# Altium PCB HYDRA_V3_BEACON.PcbDoc (part 2 of 2)
Units mm, origin at the board's own origin, x right, y up, seen from the top; angles counter-clockwise.
Board outline 50 x 45 mm, 6 copper layers (Top Layer, GND, PWR, INT_SIG_1, INT_SIG_2, Bottom Layer), stack 0.816 mm thick; 172 components, 120 nets, 610 pads, 494 vias.
Unrouted connection lines stored in the file: 17.
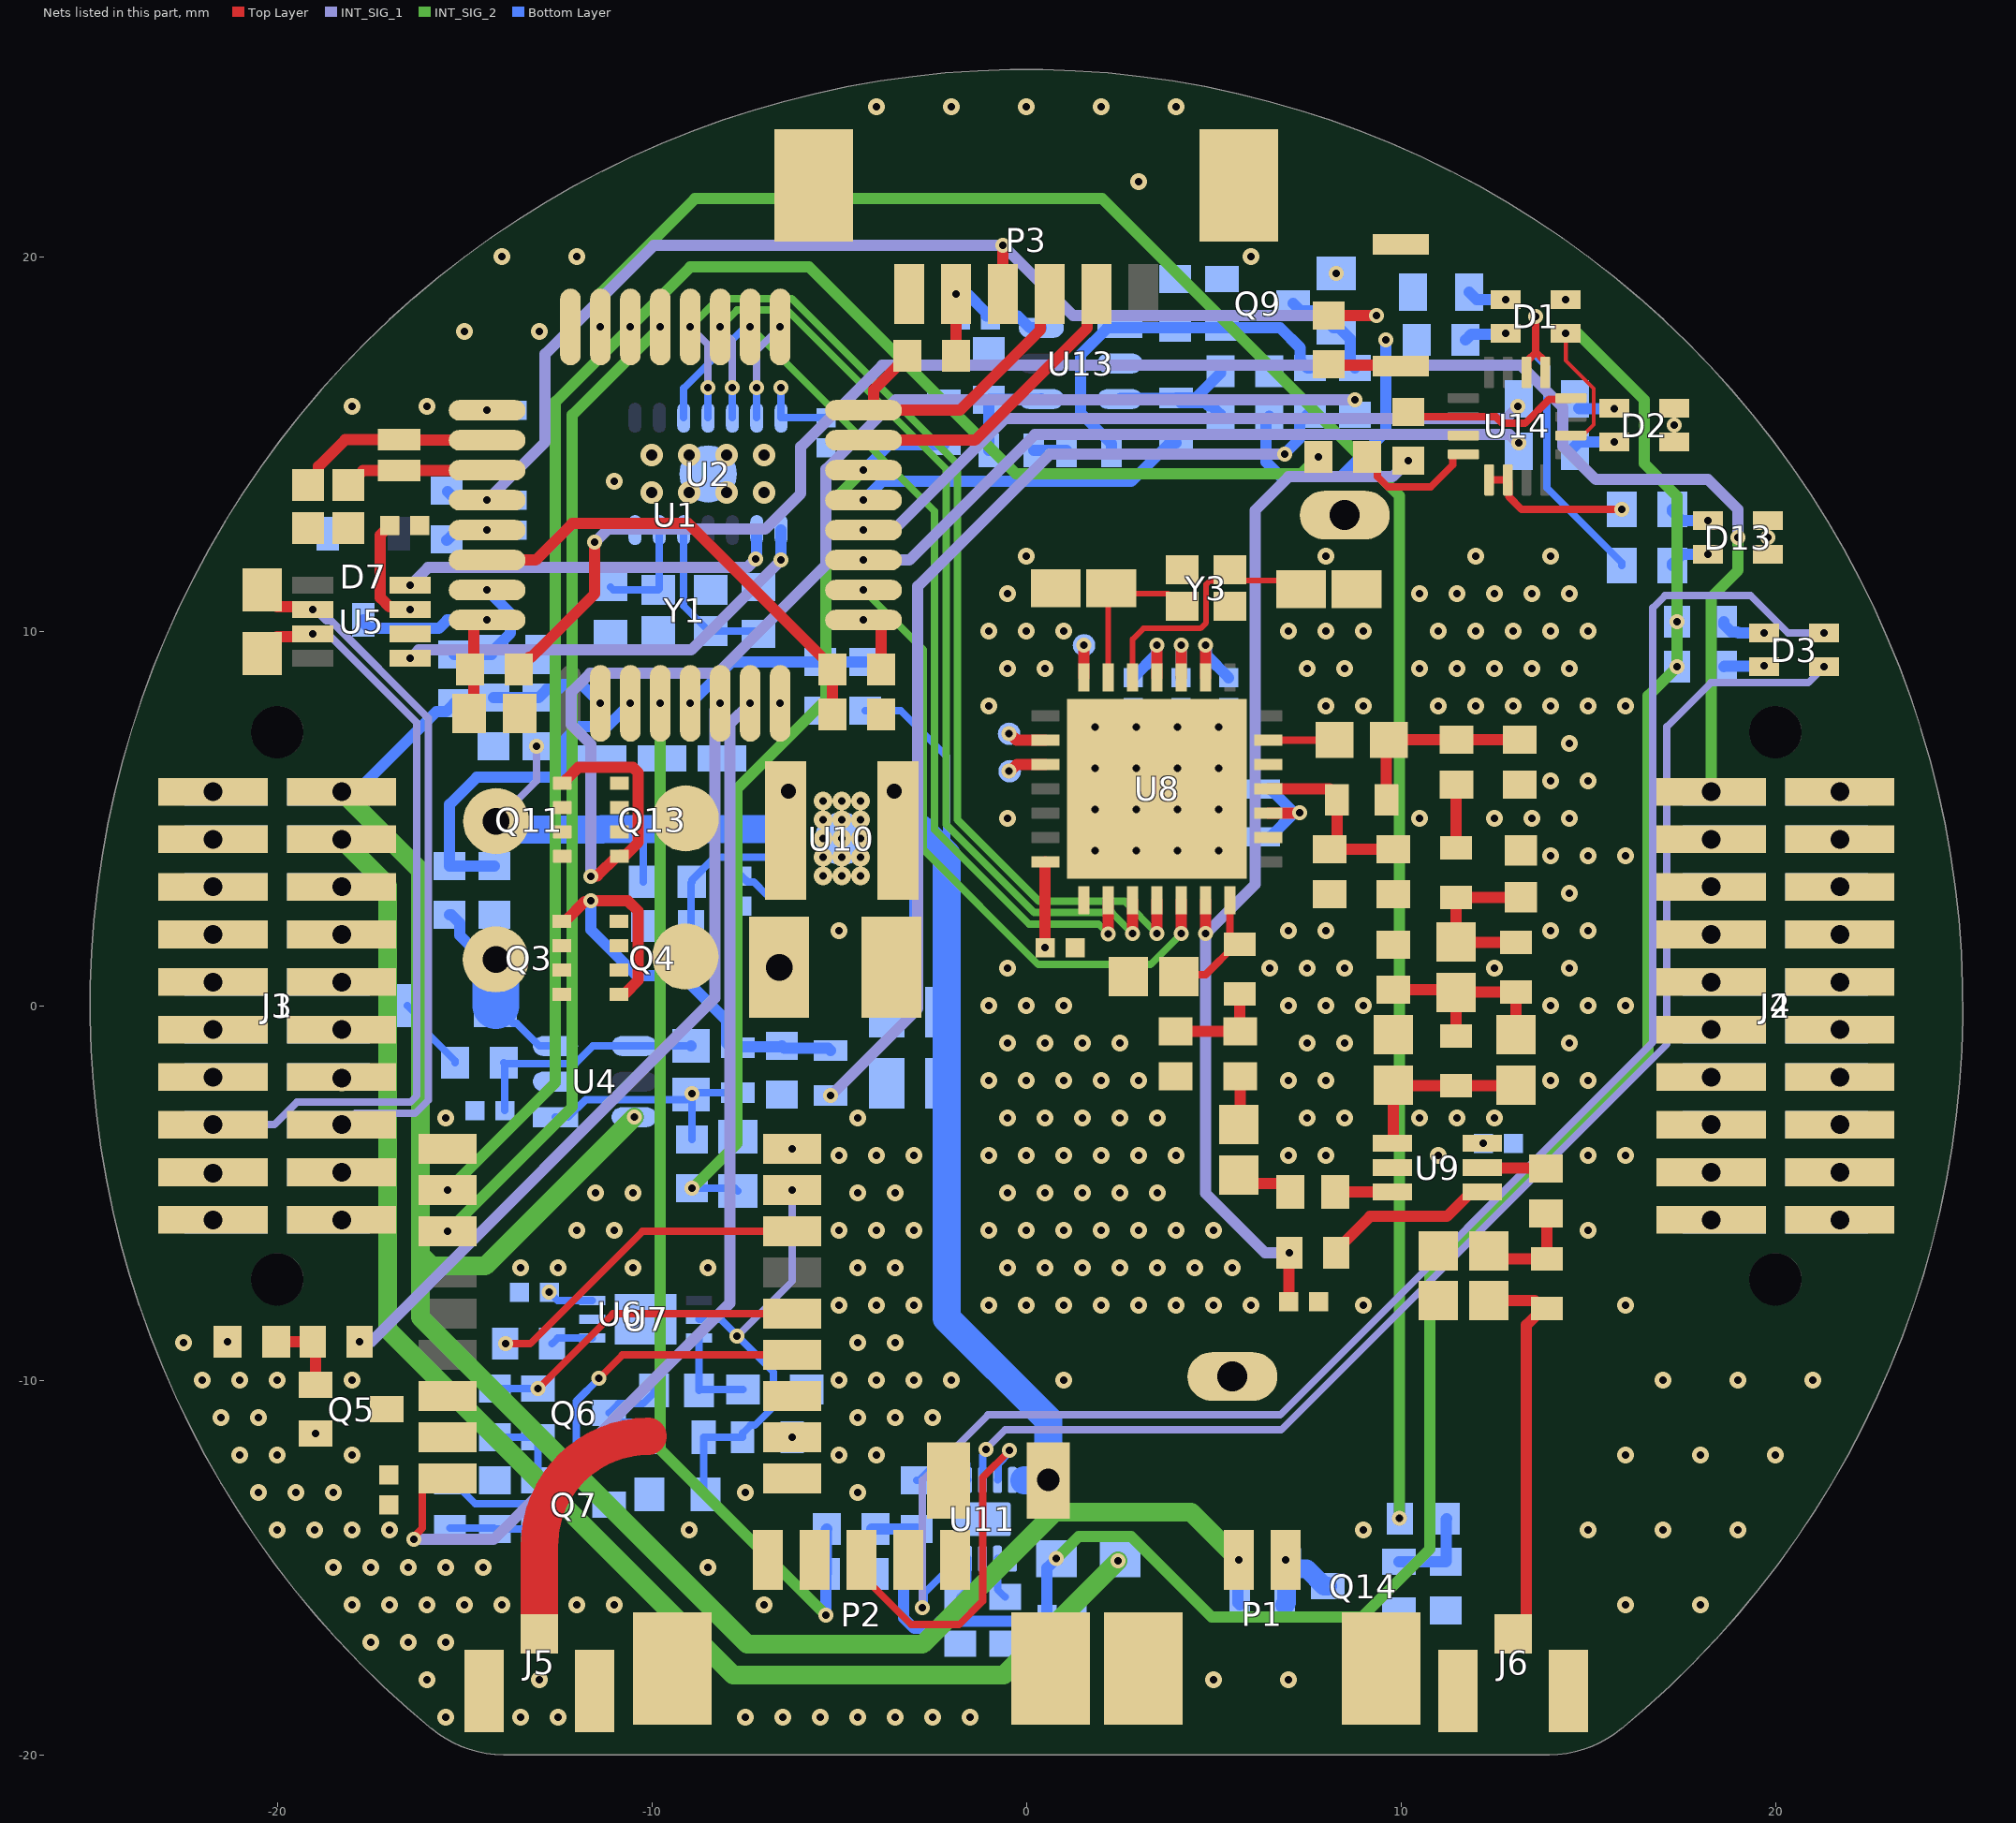
[diagram p6: the nets of this part, all layers, seen from the top]

## Part data (continued)
R17: library part CMP-2000-00925-1, "NOT PANASONIC, THIS IS A 1M RESISTORhttps://www.yageo.com/upload/media/product/productsearch/datasheet/rchip/PYu-RT_1-to-0.01_RoHS_L_13.pdf", Manufacturer=Panasonic, Part Number=ERA-3AEB163V
R24 R25: library part CMP-2000-03183-1, Manufacturer="Vishay Dale", Part Number=CRCW06032K70JNEA
R27: library part CMP-2000-00195-2, "RES SMD 10 OHM 1% 1/10W 0603", Manufacturer=Panasonic, Package=ERJ3EK, Power=100mW, Power Rating=0.1W, Resistance=10Ω, Temperature="-55°C to +155°C", Temperature Coefficient=100ppm/°C, Temperature Range High=+155°C, Temperature Range Low=-55°C, Tolerance=1%, Voltage Rating=75V, Automotive=Yes, Automotive Grade="Grade 0", Category=Res, ComponentLink2Description=Datasheet, ComponentLink2URL=https://b2b-api.panasonic.eu/file_stream/pids/fileversion/1263, Composition="Thick Film", Device Class L1="Passive Components", Device Class L2=Resistors, Device Class L3="Chip SMD Resistors", Digikey Description="RES SMD 10 OHM 1% 1/10W 0603", Footprint Url=https://industrial.panasonic.com/cdbs/www-data/pdf/RDA0000/DMA0000COL17.pdf, Height=0.55mm, Ipc Land Pattern Name=RESC16080X45, Lead Free=Yes, Manufacturer Part Number=ERJ-3EKF10R0V, Octopart=https://octopart.com/erj-3ekf10r0v-panasonic-55403649, RoHS=TRUE, Series=ERJ
R29: library part CMP-2000-00091-1, Manufacturer=Panasonic, Part Number=ERA3AEB561V
R31: library part CMP-2100-03662-2, "RES SMD 100K OHM 1% 1/10W 0603", Case Code (Imperial)=0603, Case Code (Metric)=1608, Max Operating Temperature=155°C, Max Power Dissipation=100mW, Min Operating Temperature=-55°C, Resistance=100kR, Resistance Tolerance=1%, Resistor Type="Thick Film", Temperature Coefficient=100ppm/°C, Voltage Rating=50V, Working Voltage=75V, Case/Package=0603, Construction=Rectangular, Depth=0.8mm, Features="Moisture Resistant", Height=0.45mm, Lead Free="Lead Free", Length=1.6mm, Military Standard=Not, Number of Pins=2, Number of Terminations=2, Packaging="Tape and Reel", Power Rating=100mW, REACH SVHC="No SVHC", RoHS Compliant=Yes, Series=RC, Technology="THICK FILM", Termination=SMD/SMT, Tolerance=1%, Voltage Rating (DC)=50V, Width=0.8mm
R36: library part CMP-1012-00849-3, "RES SMD 1M OHM 1% 1/10W 0603", Case Code (Imperial)=0603, Case Code (Metric)=1608, Max Operating Temperature=155°C, Max Power Dissipation=100mW, Min Operating Temperature=-55°C, Package Quantity=1, Resistance=1MR, Resistance Tolerance=1%, Resistor Type="Thick Film", Temperature Coefficient=100ppm/°C, Voltage Rating=75V, Case/Package=0603, Construction=Rectangular, Contact Plating=Tin, Depth=0.8mm, Features="Automotive AEC-Q200", Height=0.022inch, Lead Free="Lead Free", Length=1.6mm, Military Standard=Not, Mount="Surface Mount", Number of Pins=2, Number of Terminations=2, Packaging="Tape and Reel", Power Rating=100mW, Radiation Hardening=No, REACH SVHC="No SVHC", RoHS Compliant=Yes, Series=ERJ, Size Code=0603, Termination=SMD/SMT, Tolerance=1%, Voltage Rating (DC)=75V, Width=0.8mm
R37: library part CMP-2000-00296-1, Manufacturer=Panasonic, Part Number=ERJ3EKF1803V
R39 R60: library part CMP-2000-00475-1, Manufacturer=Panasonic, Part Number=ERJ3EKF3901V
R64: library part CMP-2000-00256-1, Manufacturer=Panasonic, Part Number=ERJ-3EKF1500V
R65: library part CMP-1012-00048-2, Manufacturer=Panasonic, Part Number=ERJ-3GEYJ820V
SW1: library part CMP-10040-000029-1, "SWITCH TACTILE SPST-NO 0.02A 15V", Current Rating=5A, Flammability Rating="UL94 V-0", Insulation Color=Black, Max Operating Temperature=85°C, Min Operating Temperature=-40°C, Operating Force=240gf, Actuator Type=Standard, Connector Type=USB, Contact Plating=Gold, Gender=Receptacle, Illumination Type=Non-Illuminated, Mechanical Life=500000Cycles, Mount="Surface Mount", Number Of Contacts=24, Number of Ports=1, Packaging="Tape and Reel", Switch Function=Off-Mom, Switch Travel=0.13mm, Termination=Solder, Throw Configuration=SPST
TP1 TP2 TP3 TP4: library part CMP-00028-00002-2, "0.6mm round", Pins=1
U1: library part CMP-020-00025-2, "MCU 32-Bit Ultra Low Power STM32L ARM Cortex M0+ RISC 64kB Flash 32-Pin LQFP T/R"
U2: library part CMP-06298-000029-1, "IC CAN CONTROLLER SPI 14VDFN", RoHS Compliant=Yes
U4 U13: library part CMP-04896-000098-1, "40V, RAIL-TO-RAIL INPUT, PUSH-PU"
U5: library part CMP-04872-000178-1, "IC TRANSCEIVER 1/1 SOT23-8", Case/Package=SOT-23-8, Max Operating Temperature=125°C, Min Operating Temperature=-40°C, Data Rate=1Mbps, Lead Free="Lead Free", Mount="Surface Mount", Packaging="Tape and Reel", RoHS Compliant=Yes
U6: library part CMP-00025-00004-1, "Gnss Lcc Rx Mod, Rom, Crystal"
U7: library part CMP-09116-000039-1, "IC OPAMP GP 1 CIRCUIT 6DFN", Case/Package=DFN, Input Bias Current=12nA, Input Offset Voltage (Vos)=1.2mV, Max Operating Temperature=85°C, Max Supply Voltage=18V, Min Operating Temperature=-40°C, Min Supply Voltage=1.8V, Operating Supply Current=20uA, Output Current per Channel=10mA, Package Quantity=1, Power Supply Rejection Ratio (PSRR)=86dB, Voltage Gain=120dB, Bandwidth=60kHz, Common Mode Rejection Ratio=68dB, Gain Bandwidth Product=60kHz, Lead Free="Lead Free", Mount="Surface Mount", Number of Amplifiers=1, Number of Circuits=1, Number of Elements=1, Number of Pins=6, Packaging="Tape and Reel", REACH SVHC="No SVHC", Slew Rate=0.018V/µs, Unity Gain Bandwidth Product=60kHz
U8: library part CMP-2000-05356-1, "Low Power Long Range Transceiver, 137 to 1020 MHz, -40 to 85 degC, 28-Pin QFN, RoHS, Tape and Reel", Current - Receiving=10.8mA~12mA, Current - Transmitting=20mA~120mA, Frequency=137MHz~1.02GHz, Manufacturer=Semtech, Operating Temperature=-40degC~85degC, Package / Case=28-VQFNExposedPad, Package Description="28-Pin Quad Flat No-lead Package, Body 6 x 6 mm, Pitch 0.65 mm", Package Reference=QFN-28, Power - Output=20dBm, Standard Package=3,000, Voltage - Supply=1.8V~3.7V, Category=RF/IFandRFID, Data Rate (Max)=300kbps, Datasheet URL=http://www.semtech.com/images/datasheet/sx1276.pdf, Datasheet Version="Rev. 4, 03/2015", Design Resources=SX127xReferenceDesignOverviewDevelopmentToolSelector, Family=RFTransceiverICs, Featured Product=SX1276LongRangeTransceiver, GPIO=6, Manufacturer URL=http://www.semtech.com/, Memory Size=-, Mfg Application Notes=LoRaModulation:CrystalOscillatorGuidanceSX12xxSoftwareImplementationofDataWhiteningandCRCSX127xLoRaLowEnergyDesignGuideSX127xLoRaModemDesignersGuide, Modulation=FSK,GFSK,GMSK,MSK,OOK, Online Catalog=SX1276,SX1277andSX1278, Other Names=SX1276IMLTRTTR, Packaging=Tape&Reel(TR), PCN Design/Specification=CopperWire25/Mar/2014, Protocol=LoRa™, RF Family/Standard=802.15.4, Sensitivity=-148dBm, Serial Interfaces=SPI, Series=-, Type=TxRx+MCU
U9: library part CMP-2000-05298-1, "IC RF Switch SPDT, 50 Ohm, 6-Pin SC70, RoHS, Tape and Reel", Frequency - Lower=10MHz, Frequency - Upper=3GHz, Insertion Loss @ Frequency=0.5dB@2GHz, Isolation @ Frequency=20dB@2GHz(typ), Manufacturer="Peregrine Semiconductor", Operating Temperature=-40degC~85degC, Package / Case=6-TSSOP,SC-88,SOT-363, Package Description="6-Pin Small Outline Transistor, Body 2.05 x 1.25 mm, Pitch 0.65 mm", Package Reference=SC-70-6, Standard Package=3,000, Voltage - Supply=1.8V~3.3V, Category=RF/IFandRFID, Circuit=SPDT, Datasheet URL=https://datasheet.ciiva.com/15100/getdatasheetpartid-685660-15100501.pdf, Datasheet Version=Jan-11, Family=RFSwitches, Features=Single/DualLineControl, IIP3=55dBm(typ), Impedance=50Ohm, Manufacturer URL=http://www.psemi.com/, Online Catalog=PE4259, Other Names=1046-1011-24259-63-ND425963PE4259PE4259SCBC-ZPE4259SCBC-Z-ND, P1dB=29dBm(typ)IP1dB, Packaging=Tape&Reel(TR), RF Type=GeneralPurpose, Series=UltraCMOS, Supplier Device Package=SC-70-6, Topology=Reflective
U10: library part CMP-04918-000102-1, "IC REG BCK BST 3.3V 3.5A 14VSON", Ambient Temperature Range High=+85°C, Ambient Temperature Range Low=-40°C, Manufacturer="Texas Instruments", Max Junction Temp=+125°C, Max Supply Voltage=5.5V, Min Supply Voltage=1.8V, Nominal Supply Current=25uA, Output Current=2A, Output Voltage=1.2-5.5V, Package=DSJ0014A, Switching Frequency=2400kHz, Temperature="-40°C to +85°C", Automotive=No, Category=IC, ComponentLink2Description=Datasheet, ComponentLink2URL=http://www.ti.com/lit/ds/symlink/tps63021.pdf, Device Class L1="Integrated Circuits (ICs)", Device Class L2="Power Management ICs", Device Class L3="Voltage Regulators - Switching", Digikey Description="IC REG BCK BST 3.3V 3.5A 14VSON", Height=1mm, Lead Free=Yes, Manufacturer Part Number=TPS63021DSJR, Max Duty Cycle=100%, Mouser Description="Conv DC-DC 1.8V to 5.5V Non-Inv/Inv/Step Up/Step Down Single-Out 3.3V 3A 14-Pin VSON EP T/R", Number of Outputs=1, Octopart=https://octopart.com/tps63021dsjr-texas+instruments-17659431, Output Type=AdjustableProgrammable, RoHS=TRUE, Standoff Height=0mm, Switching Topology=Buck-Boost, Temperature Range High=+85°C, Temperature Range Low=-40°C
U11: library part CMP-0321-00456-2, "800 mA, Single-Input, Single Cell Li-Ion Battery Charger with Auto Start. Vovp=6.6 V, 3.5 V, -40 to 85 degC, 10-pin SON (DSQ), Green (RoHS & no Sb/Br)", Manufacturer="Texas Instruments", Over Voltage Protection=N, ComponentLink1Description=Datasheet, ComponentLink1URL=http://www.ti.com/general/docs/lit/getliterature.tsp?genericPartNumber=BQ24040&fileType=pdf, DatasheetVersion=SLUS941A, Eco-Plan="Green (RoHS & no Sb/Br)", Lead Acid=N, Li-Ion=N, Li-Polymer=N, Mounting Technology="Surface Mount", NiCd=N, NiMH=N, PackageDescription="10-Pin Plastic Small Outline No-Lead, 2 x 2 x 0.8 mm Body, 0.4 mm Pitch, Exposed Pad", PackageReference=DSQ0010A, PackageVersion="revB, Apr-2010", PartNumber=BQ24040DSQR, SubFamily="Battery Charge Management", Vin(Min)(V)=3.5
U14: library part CMP-014-00004-1, "LM2902 Series 30 V 1.3 MHz Low-Power Quad Operational Amplifier - QFN-16 (3x3)"
Y1: library part CMP-27762-004352-1, "Crystal 40MHz ±30ppm 10pF SMD-4 2mm x 1.6mm Automotive", Case/Package=SMD/SMT, Color=Yellow, ESR (Equivalent Series Resistance)=60R, Frequency=40MHz, Frequency Stability=50ppm, Frequency Tolerance=30ppm, Load Capacitance=10pF, Max Operating Temperature=125°C, Min Operating Temperature=-40°C, Ratings=AEC-Q200, Height=0.022inch, Length=0.079inch, Mount="Surface Mount", Packaging="Tape and Reel", RoHS Compliant=Yes, Width=0.063inch
Y2: library part CMP-40224-000006-1, "CRYSTAL 32.7680KHZ 12.5PF SMD", Frequency=32.768kHz, Load Capacitance=12.5pF, Manufacturer="ECS International", Package=ECX-1210, Temperature="-40°C to +85°C", Temperature Range High=+85°C, Temperature Range Low=-40°C, Tolerance=20ppm, Automotive=No, Category=Crys, ComponentLink2Description=Datasheet, ComponentLink2URL=https://ecsxtal.com/store/pdf/ECX-1210.pdf, Device Class L1="Passive Components", Device Class L2="Crystals / Oscillators", Device Class L3=Crystals, Digikey Description="CRYSTAL 32.7680KHZ 12.5PF SMD", Esr=90kΩ, Height=0.5mm, Lead Free=Yes, Manufacturer Part Number=ECS-.327-12.5-1210-TR, Octopart=https://octopart.com/ecs-.327-12.5-1210-tr-ecs+international-81221340, RoHS=TRUE, Series=ECX-1210
Y3: library part CMP-27762-001566-1, "Crystal 32MHz ±10ppm 8pF SMD-4 2mm x 1.6mm", Case/Package=SMD/SMT, ESR (Equivalent Series Resistance)=80R, Frequency=32MHz, Frequency Stability=20ppm, Frequency Tolerance=10ppm, Load Capacitance=8pF, Max Operating Temperature=85°C, Min Operating Temperature=-40°C, Mount="Surface Mount", Packaging="Cut Tape", RoHS Compliant=Yes

## Via types
v1: diameter 0.45, hole 0.2, Top Layer to Bottom Layer, 297 vias
v2: diameter 0.4, hole 0.2, Top Layer to Bottom Layer, 112 vias
v3: diameter 0.7, hole 0.5, Top Layer to Bottom Layer, 40 vias
v4: diameter 0.5, hole 0.2, Top Layer to Bottom Layer, 31 vias
v5: diameter 0.6, hole 0.3, Top Layer to Bottom Layer, 8 vias
v6: diameter 1.27, hole 0.711, Top Layer to Bottom Layer, 3 vias
v7: diameter 0.6, hole 0.4, Top Layer to Bottom Layer, 2 vias
v8: diameter 1, hole 0.6, Top Layer to Bottom Layer, 1 vias

## Nets (pads, with @x,y where several pads share a name; then routed paths per layer and width w, separated by ;. In a path a pad name is that pad's centre, name@x,y a point inside that pad or via, vN(x,y) a via of type N, cw(c..) or ccw(c..) an arc to the next point about the centre after c; other vN are vias at no path point)
3V3: C1.1 C2.1 C3.1 C4.2 C5.2 C10.1 C18.1 C19.1 C20.1 C21.1 C28.1 C45.2 C54.1 D1.3 D2.2 D2.3 P3.5 Q4.5-6-7-8 Q5.2 Q13.5-6-7-8 R2.2 R6.1 R19.2 R56.1 R60.2 R66.2 U1.1 U1.5 U1.17 U2.14 U5.3 U7.6 U8.3 U8.14 U8.24 U9.6 U13.6 | length 27.5
  Top Layer w0.3: C5.2@-17,12.825 -17.253,12.572 -17.253,10.897 -17.007,10.651 -16.526,10.651 v2(-16.451,10.576) ; v2(-4.35,10.3) -3.99,10.3 -3.875,10.185 R19.2@-3.875,8.975 ; R66.2@-1.875,17.35 v2(-1.875,19) ; v2(0.5,1.55) 0.5,3.844 U8.14@0.512,3.844 ; U8.3@4.137,8.769 v2(4.137,9.625) ; U8.24@6.462,5.144 7.294,5.144 v2(7.3,5.15)
  Bottom Layer w0.2: v2(-12.738,-7.65) -12.512,-7.875 U7.6@-11.588,-7.875 ; v2(-6.55,16.5) U2.14@-6.55,15.7 C4.2@-5.35,15.7
  Bottom Layer w0.3: R6.1@-15.475,12.425 -15.3,12.6 C2.1@-14.581,12.6 ; v2@-1.848,19 -1.84,18.992 -1.564,18.992 -1.07,18.499 -1.07,18.423 -0.233,18.423 0.09,18.1 U13.6@0.395,18.1 ; C18.1@4.125,8.76 4.131,8.766 4.131,9.579 v2@4.137,9.585 ; R56.1@6.477,15.737 6.4,15.66 6.4,14.518 6.793,14.125 8.388,14.125 9.6,15.338 v2(9.6,17.775) ; C20.1@6.51,4.51 7.131,5.131 7.281,5.131 v2(7.3,5.15) ; C21.1@6.51,5.785 v2@7.126,5.169
  other v2: -18.975,-11.425 -21.325,-8.975 12.2,-3.675 -14.4,12.7 17.3,15.5 -14.4,15.9 14.4,18.85 8.275,19.55
  other v6: -6.6,1.025
3V3_CUTOFF_MOSFET: D5.C D6.C Q3.4 Q4.4 R13.2 | length 13.8
  Top Layer w0.3: Q3.4@-12.4,2.25 -12.375,2.275 -12.3,2.275 -11.794,2.781 -11.644,2.781 v2(-11.625,2.8) -10.642,2.8 -10.373,2.532 -10.373,0.673 -10.719,0.328 -10.85,0.328 Q4.4@-10.875,0.303
  Bottom Layer w0.3: v2(-11.625,2.8) -11.625,2.025 -10.4,0.8 -9.2,0.8 -8,-0.4 -8,-1 -7.875,-1.125 D5.C@-7.7,-1.125 -7.675,-1.1 -6.55,-1.1 R13.2@-6.525,-1.075 -6.463,-1.138 -5.288,-1.138 D6.C@-5.225,-1.2
3V3_OC_TP: D5.A R17.1 R38.2 U4.1 | length 6.1
  Bottom Layer w0.2: U4.1@-12.575,-2.975 -12.238,-2.975 -11.771,-2.508 R17.1@-9.083,-2.508 ; R38.2@-8.925,-3.575 v2(-8.925,-2.35) -8.9,-2.325 D5.A@-7.7,-2.325
3V3_POST_SHUNT: Q3.5-6-7-8 R11.2 R15.2 U4.3 | length 5.2
  Bottom Layer w0.2: R15.2@-14.168,0.008 R15.2@-14.175,0 -13.7,-0.475 -13.602,-0.475 -13.002,-1.075 U4.3@-12.575,-1.075
  Bottom Layer w0.3: R11.2@-15.4,2.425 -15.35,2.425 -15.125,2.2 -15.125,1.875 -14.673,1.423 -14.353,1.423 v6(-14.168,1.238)
  Bottom Layer w1.25: R15.2@-14.168,0.008 v6(-14.168,1.238)
3V3_PRE_SHUNT: J1.09 J1.10 J1.11 J1.12 J3.09 J3.10 J3.11 J3.12 R15.1 R16.2 | length 2.1
  Bottom Layer w0.2: R15.1@-16.525,0 -16.05,-0.475 -16.05,-0.675 -15.25,-1.475 R16.2@-15.25,-1.525
  other v3: -21.715,-0.635 -18.285,-0.635 -21.715,0.635 -18.285,0.635
3V3_SENSE: R19.1 R23.2 U1.6 | length 12.5
  Top Layer w0.3: U1.6@-14.4,11.9 -13.1,11.9 -12.125,12.875 -9.025,12.875 -5.175,9.025 R19.1@-5.175,8.975 R23.2@-5.175,7.775
5V: C39.1 D1.2 F1.2 R14.1 R18.2 R35.1 R47.2 U11.1 U14.2 | length 61.4
  Top Layer w0.102: v2(14.4,17.95) 14.4,17.225 15.148,16.477 15.148,15.515 14.937,15.304 14.614,15.304 U14.2@14.535,15.225
  INT_SIG_2 w0.3: v2(0.8,-14.764) 1.389,-14.175 2.8,-14.175 4.95,-16.325 8.95,-16.325 10.775,-14.5 10.775,-7.05 16.6,-1.225 16.6,8.275 v2(17.375,9.05) v2(17.375,10.25) 17.375,13.6 16.5,14.475 16.5,16.175 14.725,17.95 v2(14.4,17.95)
  Bottom Layer w0.3: R18.2@-4.125,-13.975 R47.2@-2.925,-13.975 -2.925,-14.929 -3.275,-15.279 -3.275,-16.349 -2.999,-16.625 -2.491,-16.625 -2.304,-16.438 -0.092,-16.438 -0.014,-16.36 0.44,-16.36 C39.1@0.55,-16.25 0.55,-15.014 v2(0.8,-14.764)
5V_SENSE: R18.1 R22.2 U1.12 | length 28.5
  INT_SIG_2 w0.3: v2(-9.775,8.075) -9.775,-11.85 v2(-5.35,-16.275)
  Bottom Layer w0.3: v2(-5.35,-16.275) R22.2@-5.35,-15.175 -5.338,-15.162 -5.338,-13.988 R18.1@-5.325,-13.975
ANT_DETECT: R32.1 U6.7 | length 8.9
  Top Layer w0.2: v2(-13.907,-9.019) -13.901,-9.025 -13.25,-9.025 -10.25,-6.025 U6.7@-6.25,-6.025
ANT_SENSE: R29.1 R31.2 U7.3 | length 2.6
  Bottom Layer w0.2: U7.3@-8.737,-8.875 R29.1@-8.738,-10.275 -8.712,-10.25 R31.2@-7.562,-10.25
ANT_SHORT_N: C9.1 L1.1 R27.1 U6.8 U7.2 | length 11.8
  INT_SIG_1 w0.2: v2(-7.725,-8.825) -6.25,-7.35 v2(-6.25,-4.925)
  Bottom Layer w0.2: U7.2@-8.737,-8.375 -8.175,-8.375 ; C9.1@-8.563,-13.05 -8.612,-13 R27.1@-8.612,-11.525 L1.1@-7.575,-11.525 -7.575,-11.412 -7.362,-11.2 -7.25,-11.2 -6.75,-10.7 -6.75,-9.78 -8.13,-8.4
BATT_DISABLE: D11.A U1.21 | length 9
  Bottom Layer w0.3: v2(-4.35,13.5) -3.85,14 2.8,14 3.825,15.025 D11.A@4,15.025
BATT_ENABLE: D10.A R38.1 R39.2 U1.22 | length 24.8
  INT_SIG_2 w0.3: v2(-8.925,-4.875) -7.725,-3.675 -7.725,5.8 -5.35,8.175 -5.35,13.3 v2(-4.35,14.3)
  Bottom Layer w0.2: v2(-8.925,-4.875) -7.775,-4.875 R39.2@-7.7,-4.95
  Bottom Layer w0.3: v2(-4.35,14.3) -3.675,14.975 D10.A@-2.2,14.975
BATT_PWR_MOSFET: Q11.4 Q13.4 R61.2 | length 36.6
  Top Layer w0.3: Q11.4@-12.39,5.94 -12.315,5.94 -12.29,5.965 -12.29,6.04 -11.963,6.367 -10.511,6.367 -10.363,6.219 -10.363,4.361 -10.709,4.015 -10.84,4.015 Q13.4@-10.865,3.99 -10.94,3.99 -11.461,3.469 -11.606,3.469 v2(-11.625,3.45)
  INT_SIG_1 w0.3: v2(-11.625,3.45) -11.625,6.975 -12.15,7.5 -12.15,8.375 -11.65,8.875 -8.25,8.875 -5.35,11.775 -5.35,14.324 -3.499,16.175 v2(8.775,16.175)
BATT_SENSE: R45.1 R49.2 U1.13 | length 5.1
  Bottom Layer w0.3: v2(-8.975,8.075) -7.875,9.175 R49.2@-5.5,9.175 R45.1@-4.3,9.175
BATT_TS: P2.3 U11.9 | length 9.7
  Top Layer w0.2: P2.3@-4.4,-14.8 -4.4,-15.2 -3.075,-16.525 -1.8,-16.525 -1.174,-15.899 -1.174,-12.599 v2(-0.45,-11.875)
  Bottom Layer w0.2: U11.9@-0.774,-12.664 -0.759,-12.649 -0.759,-12.239 -0.45,-11.929 v2(-0.45,-11.875)
BUZZ+: D12.C J1.01 J1.02 J3.01 J3.02 P1.1 R9.2 R20.2 U4.6 | length 55.1
  INT_SIG_2 w0.5: v3(-18.285,5.715) -16.175,3.605 -16.175,-6.65 ; v2(-10.475,-2.975) -14.45,-6.951 -15.874,-6.951 -16.175,-6.65 ; v2(5.675,-14.8) 4.4,-13.525 0.75,-13.525 -2.775,-17.05 -7.45,-17.05 -16.175,-8.325 -16.175,-6.65
  Bottom Layer w0.3: v3(-18.285,5.715) -17.895,5.715 -15.76,7.85 -15.5,7.85 R20.2@-15.275,8.075 ; v2(5.675,-14.8) 5.65,-14.825 5.65,-15.95 D12.C@5.7,-16
  other v3: -21.715,5.715
BUZZ-: D12.A P1.2 Q14.3 R9.1 | length 2.6
  Bottom Layer w0.5: D12.A@6.9,-16 6.95,-15.95 R9.1@6.95,-14.825 ; v2(6.925,-14.8) R9.1@6.95,-14.825 ; Q14.3@8.05,-15.5 7.95,-15.5 7.48,-15.03 7.155,-15.03 R9.1@6.95,-14.825
BUZZER: R62.2 U1.31 | length 53.9
  INT_SIG_2 w0.3: v2(-11.375,18.125) -11.375,19.025 -8.85,21.55 2.025,21.55 9.963,13.612 v2(9.963,-13.688)
CAN0_N: J1.16 J3.16 R1.1 U5.6 | length 18.7
  Top Layer w0.3: R1.1@-20.401,11.101 -20.401,11.051 -20.001,10.651 -19.126,10.651 v2(-19.051,10.576)
  INT_SIG_1 w0.2: v2(-19.051,10.576) -18.997,10.576 -18.696,10.276 -18.572,10.276 -15.973,7.677 -15.973,-2.525 -16.325,-2.877 -17.918,-2.877 -18.216,-3.175 v3(-18.285,-3.175)
CAN0_P: J1.15 J3.15 R1.2 U5.7 | length 21.1
  Top Layer w0.3: R1.2@-20.401,9.401 -20.401,9.451 -20.001,9.851 -19.126,9.851 v2(-19.051,9.926)
  INT_SIG_1 w0.2: v3(-21.715,-3.175) -20.084,-3.175 -19.484,-2.575 -16.45,-2.575 -16.275,-2.4 -16.275,7.553 -18.696,9.974 -18.862,9.974 -18.872,9.965 -19.013,9.965 v2(-19.051,9.926)
CAN0_RX: U2.2 U5.4 | length 10.3
  INT_SIG_1 w0.3: v2(-16.451,11.226) -15.978,11.7 -7.457,11.7 v2(-7.229,11.929)
  Bottom Layer w0.3: v2(-7.229,11.929) -7.21,11.948 -7.21,12.69 U2.2@-7.2,12.7
CAN0_TX: U2.1 U5.1 | length 11.8
  INT_SIG_1 w0.3: v2(-16.451,9.276) -16.449,9.276 -16.226,9.5 -8.95,9.5 v2(-6.55,11.9)
  Bottom Layer w0.3: v2(-6.55,11.9) U2.1@-6.55,12.7
CAN1_N: J1.20 J3.20
  other v3: -18.285,-5.715
CAN1_P: J1.19 J3.19
  other v3: -21.715,-5.715
CAN_CS: U1.25 U2.13 | length 2.7
  INT_SIG_1 w0.2: v2(-7.2,16.5) -7.2,17.5 v2(-6.575,18.125)
  Bottom Layer w0.2: U2.13@-7.2,15.7 v2(-7.2,16.5)
CAN_SCK: U1.26 U2.10 U8.16 | length 25.4
  Top Layer w0.3: v2(2.187,1.922) U8.16@2.187,2.819
  INT_SIG_2 w0.2: v2(-7.375,18.125) -2.45,13.2 -2.45,4.7 0.065,2.185 1.924,2.185 v2(2.187,1.922)
  Bottom Layer w0.2: U2.10@-9.15,15.7 -9.15,16.486 -7.55,18.087 -7.413,18.087 v2(-7.375,18.125)
CAN_SDI: U1.28 U2.11 U8.18 | length 28.9
  Top Layer w0.3: v2(3.487,1.925) U8.18@3.487,2.819
  INT_SIG_2 w0.2: v2(-8.975,18.125) -8.223,18.877 -6.264,18.877 -1.847,14.46 -1.847,4.97 0.335,2.788 2.624,2.788 v2(3.487,1.925)
  INT_SIG_1 w0.2: v2(-8.975,18.125) -8.5,17.65 v2(-8.5,16.5)
  Bottom Layer w0.2: U2.11@-8.5,15.7 v2(-8.5,16.5)
CAN_SDO: U1.27 U2.12 U8.17 | length 27.1
  Top Layer w0.3: v2(2.837,1.925) U8.17@2.837,2.819
  INT_SIG_2 w0.2: v2(-8.175,18.125) -7.725,18.575 -6.389,18.575 -2.148,14.335 -2.148,4.845 0.21,2.487 2.276,2.487 v2(2.837,1.925)
  INT_SIG_1 w0.2: v2(-8.175,18.125) -8.175,18.071 -7.85,17.746 v2(-7.85,16.5)
  Bottom Layer w0.2: U2.12@-7.85,15.7 v2(-7.85,16.5)
CHG_N: D3.4 U11.8 | length 36.9
  INT_SIG_1 w0.2: v2(-1.075,-11.85) -1.075,-11.826 -0.574,-11.325 6.8,-11.325 17.1,-1.025 17.1,7.45 18.275,8.625 20.875,8.625 v2(21.3,9.05)
  Bottom Layer w0.2: U11.8@-1.174,-12.664 -1.174,-12.004 -1.075,-11.904 v2(-1.075,-11.85)
DISABLE_HYDRA_POWER: D6.A R52.1 | length 27.2
  INT_SIG_1 w0.3: v2(-5.225,-2.4) -2.9,-0.075 -2.9,11.2 0.625,14.725 v2(6.9,14.725)
  Bottom Layer w0.3: v2(6.9,14.725) 6.9,14.752 7.3,15.152 7.3,15.575 7.5,15.775 R52.1@7.575,15.775
G_LED: R5.2 U1.19 | length 19
  INT_SIG_1 w0.3: v2(-4.35,11.9) -3.125,11.9 0.225,15.25 12.899,15.25 13.124,15.025 v2(13.15,15.025)
GND: C1.2 C2.2 C3.2 C4.1 C5.1 C6.1 C7.1 C8.2 C9.2 C10.2 C11.2 C12.1 C13.1 C14.1 C16.2 C17.1 C18.2 C19.2 C20.2 C21.2 C22.2 C23.2 C25.1 C26.1 C27.2 C28.2 C35.2 C36.2 C37.2 C38.2 C39.2 C40.2 C41.2 C42.2 C43.2 C45.1 C46.1 C47.1 C48.2 C50.2 C51.2 C52.2 C53.2 C54.2 D7.1 D13.1 D13.4 J1.07 J1.08 J1.13 J1.14 J1.17 J1.18 J2.09 J2.10 J2.11 J2.12 J2.13 J2.14 J2.15 J2.16 J2.17 J2.18 J2.19 J2.20 J3.07 J3.08 J3.13 J3.14 J3.17 J3.18 J4.09 J4.10 J4.11 J4.12 J4.13 J4.14 J4.15 J4.16 J4.17 J4.18 J4.19 J4.20 J5.2 J5.3 J6.2 J6.3 MP1.1 P1.MP1 P1.MP2 P2.1 P2.2 P2.MP1 P2.MP2 P3.6 P3.S1 P3.S2 Q7.3 Q9.2 Q14.2 R8.2 R10.2 R12.1 R13.1 R22.1 R23.1 R24.1 R25.1 R30.1 R31.1 R37.1 R39.1 R41.2 R43.2 R48.1 R49.1 R51.2 R57.1 R59.2 R63.2 SW1.2 U1.16 U1.32 U2.7 U2.15 U4.2 U5.2 U6.1 U6.3 U6.10 U7.5 U7.7 U8.15 U8.23 U8.26 U8.29 U9.2 U10.2 U10.15 U11.3 U11.11 U13.2 U14.11 Y1.2 Y1.4 Y3.2 Y3.4